# Altium PCB K210_GSM.PcbDoc (part 2 of 2)
Units mil, origin at the board's own origin, x right, y up, seen from the top; angles counter-clockwise.
Board outline 1181.1 x 2884.84 mil, 2 copper layers (Top Layer, Bottom Layer); 74 components, 109 nets, 355 pads, 138 vias.
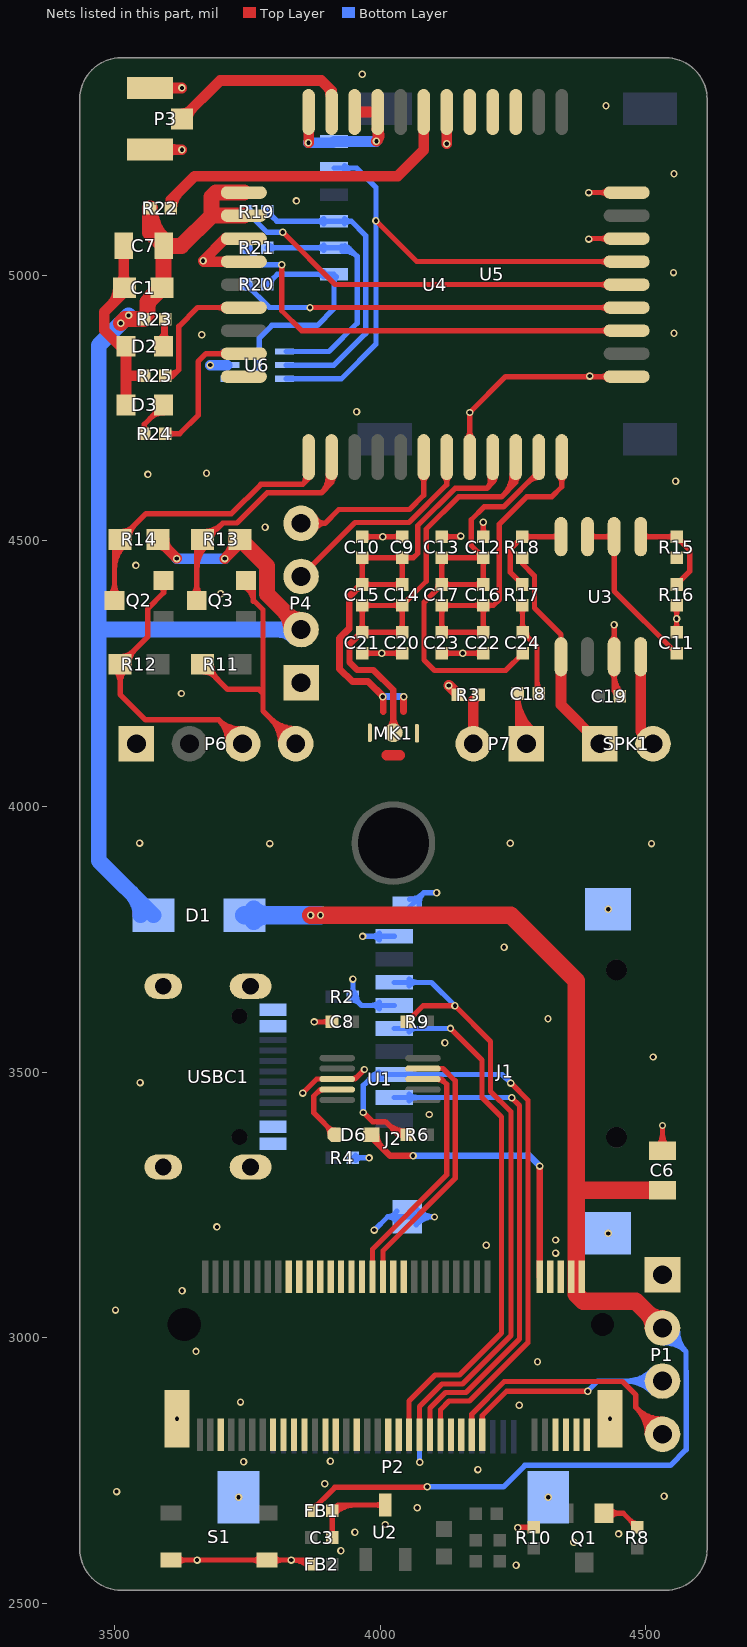
[diagram p2: the nets of this part, all layers, seen from the top]

## Via types
v1: diameter 14, hole 8, Top Layer to Bottom Layer, 138 vias

## Nets (pads, with @x,y where several pads share a name; then routed paths per layer and width w, separated by ;. In a path a pad name is that pad's centre, name@x,y a point inside that pad or via, vN(x,y) a via of type N, cw(c..) or ccw(c..) an arc to the next point about the centre after c; other vN are vias at no path point) (continued)
GND: C1.1 C6.1 C7.1 C8.2 D2.2 D3.2 FB2.1 J1.6 J1.9 J1.10 J2.6 J2.8 J2.SH1 J2.SH2 P1.1 P2.10 P2.A P2.B P3.1 P3.3 P4.1 P6.1 P7.2 R2.1 R3.1 R4.1 R10.2 R25.2 S1.2 U1.3 U4.8 U4.13 U4.19 U4.21 U4.27 U4.30 U4.31 U4.33 U4.36 U4.37 U5.3 U6.2 USBC1.0 USBC1.A1 USBC1.A12 USBC1.B1 USBC1.B12 | length 3646.9
  Top Layer w10: S1.2@3606.3,2581.69 S1.2@3787.4,2581.69 FB2.1@3862.83,2581.69 ; S1.2@3618.41,2575.48 cw(c3633.4,2560.5) 3633.4,2581.69 cw(c3633.4,2602.89) S1.2@3618.41,2587.9 ; S1.2@3775.29,2575.48 ccw(c3760.3,2560.5) 3760.3,2581.69 ccw(c3760.3,2602.89) S1.2@3775.29,2587.9 ; S1.2@3799.52,2575.48 cw(c3814.5,2560.5) 3814.5,2581.69 cw(c3814.5,2602.89) S1.2@3799.52,2587.9 ; v1@3835.7,2581.69 cw(c3835.7,2539.44) FB2.1@3865.58,2569.32 ; v1(3854.33,3460.63) 3880.71,3487.01 U1.3@3919.29,3487.01 3952.56,3487.01 v1(3970.47,3504.92) ; FB2.1@3859.84,2581.69 cw(c3859.84,2563.58) FB2.1@3872.65,2576.39 ; v1(3875.99,3594.49) C8.2@3909.45,3594.49 ; C8.2@3904.63,3589.67 ccw(c3893.01,3578.04) 3893.01,3594.49 ccw(c3893.01,3610.93) C8.2@3904.63,3599.3 ; U1.3@3946.85,3487.91 ccw(c3946.85,3503.88) 3958.14,3492.59 ; U4.8@4163.89,4693.79 ccw(c4152.26,4705.42) 4168.7,4705.42 ccw(c4185.14,4705.42) U4.8@4173.52,4693.79 ; U4.8@4168.7,4657.48 v1(4168.7,4741.54) 4236.22,4809.06 U4.13@4463.98,4809.06 ; v1(4258.86,2642.72) 4259.37,2643.23 R10.2@4289.13,2643.23 ; R10.2@4284.32,2638.41 ccw(c4272.69,2626.79) 4272.69,2643.23 ccw(c4272.69,2659.67) R10.2@4284.32,2648.05 ; 4387.48,4809.06 ccw(c4387.48,4817.24) v1@4393.27,4811.45 ; v1(4392.72,5067.91) 4393.7,5068.9 U4.19@4463.98,5068.9 ; v1(4392.72,5155.51) U4.21@4463.98,5155.51 ; v1@4394.13,5066.5 cw(c4399.92,5060.71) 4399.92,5068.9 ; v1@4396.1,4811.45 ccw(c4401.89,4817.24) 4401.89,4809.06 ; U4.13@4427.66,4804.24 ccw(c4416.04,4792.61) 4416.04,4809.06 ccw(c4416.04,4825.5) U4.13@4427.66,4813.87 ; U4.19@4427.66,5064.08 ccw(c4416.04,5052.45) 4416.04,5068.9 ccw(c4416.04,5085.34) U4.19@4427.66,5073.71 ; U4.21@4427.66,5150.7 ccw(c4416.04,5139.07) 4416.04,5155.51 ccw(c4416.04,5171.95) U4.21@4427.66,5160.33 ; C6.1@4522.66,3361.2 ccw(c4501.32,3382.54) 4531.5,3382.54 ccw(c4561.67,3382.54) C6.1@4540.33,3361.2 ; C6.1@4531.5,3352.37 v1(4531.5,3399.61)
  Top Layer w20: 3493.35,4943.15 ccw(c3460.12,4976.38) C1.1@3507.11,4976.38 ; C1.1@3509.95,4983.22 ccw(c3491.2,5001.97) 3517.71,5001.97 ; C7.1@3512.41,5042.31 cw(c3499.61,5029.51) 3517.71,5029.51 cw(c3535.82,5029.51) C7.1@3523.02,5042.31 ; D3.2@3516.2,4763.08 ccw(c3503.02,4776.25) 3521.65,4776.25 ccw(c3540.28,4776.25) D3.2@3527.11,4763.08 ; D2.2@3516.2,4858.72 cw(c3503.02,4845.54) 3521.65,4845.54 cw(c3540.28,4845.54) D2.2@3527.11,4858.72 ; 3517.71,4997.54 ccw(c3537.96,4997.54) C1.1@3523.64,4983.22 ; C7.1@3517.71,5055.11 3517.71,4967.52 3480.81,4930.61 3480.81,4896.16 3510.83,4866.14 D2.2@3521.65,4866.14 D3.2@3521.65,4755.65 ; 3522.64,4811.02 R25.2@3556.05,4811.02 ; P3.1@3566.93,5236.22 v1(3627,5236.22) ; P3.3@3566.93,5352.36 v1(3627,5352.36) ; P3.1@3597.11,5228.68 cw(c3615.32,5210.46) 3615.32,5236.22 cw(c3615.32,5261.98) P3.1@3597.11,5243.76 ; P3.3@3597.11,5344.82 cw(c3615.32,5326.6) 3615.32,5352.36 cw(c3615.32,5378.12) P3.3@3597.11,5359.91 ; v1(3666.83,5027.07) 3708.66,5068.9 U4.36@3743.5,5068.9 ; v1@3668.31,5025.59 U4.37@3743.5,5025.59 ; v1@3865.55,5249.02 U4.33@3865.55,5307.09 ; U4.31@3952.17,5307.09 U4.30@3995.47,5307.09 3995.47,5254.33 v1(3993.11,5251.97) ccw(c3981.35,5263.73) U4.30@3994.09,5274.43 ; v1(4125.39,5247.44) U4.27@4125.39,5307.09 ; P7.2@4175.39,4118.07 4175.39,4200 R3.1@4186.02,4210.63
  Bottom Layer w10: R2.1@3944,3646.55 ccw(c3932.38,3658.18) 3948.82,3658.18 ccw(c3965.26,3658.18) R2.1@3953.63,3646.55 ; R4.1@3948.82,3338.58 v1(3979.33,3338.58) ; R2.1@3948.82,3634.92 cw(c3948.82,3618.48) 3960.45,3630.11 cw(c3972.07,3641.73) R2.1@3955.63,3641.73 ; v1(3948.82,3675.2) R2.1@3948.82,3641.73 3965,3625.55 J1.6@4026.61,3625.55 ; R4.1@3953.63,3333.77 cw(c3965.26,3322.14) 3965.26,3338.58 cw(c3965.26,3355.03) R4.1@3953.63,3343.4 ; v1(3967.09,3755.47) J1.9@4026.61,3755.47 ; v1(3989.17,3202.76) 4014.33,3227.91 ; J1.6@3998.75,3619.34 ccw(c3983.77,3604.36) 3983.77,3625.55 ccw(c3983.77,3646.75) J1.6@3998.75,3631.76 ; J1.9@3998.75,3749.26 ccw(c3983.77,3734.28) 3983.77,3755.47 ccw(c3983.77,3776.67) J1.9@3998.75,3761.68 ; J1.10@4031.24,3217.6 ccw(c4014.33,3208.9) 4014.33,3227.91 ; J1.10@4031.24,3238.23 cw(c4014.33,3246.92) 4014.33,3227.91 ; J1.10@4051.3,3806.65 4082.24,3837.6 ; J1.10@4055.24,3825.28 ccw(c4055.24,3860.73) 4080.31,3835.66 ; J1.10@4060.65,3219.53 cw(c4079.42,3202.71) 4079.42,3227.91 cw(c4079.42,3253.11) J1.10@4060.65,3236.3 ; J1.10@4068.1,3212.86 cw(c4101.81,3182.65) v1@4101.81,3227.91 ; J1.10@4068.1,3242.97 ccw(c4101.81,3273.18) v1@4101.81,3227.91 ; J1.10@4073.57,3809.94 cw(c4104.38,3815.46) 4082.24,3837.6 ; P2.10@4074.21,2813.98 4074.21,2766.34 v1(4074.8,2765.75) ; v1(4102.36,3227.36) v1@4101.81,3227.91 ; v1(4106.3,3837.6) 4082.24,3837.6 ; 4014.33,3227.91 J1.10@4051.3,3227.91 v1@4101.81,3227.91
  Bottom Layer w20: v1(3680.12,4830.71) U6.2@3712.6,4830.71 ; v1(3865.16,5249.02) 3910.73,5249.02 U5.3@3913.29,5251.58 3992.72,5251.58 v1(3993.11,5251.97)
  other v1: 4255.91,2571.85 3655.51,2581.69 3832.68,2581.69 3926.18,2599.41 4364.17,2615.16 4448.82,2630.91 3952.6,2634.13 4009.84,2648.62 4069.88,2680.12 3733.66,2699.8 4316.34,2699.8 4534.45,2701.77 3503.94,2710.63 3895.67,2725.39 4184.06,2751.97 3743.11,2766.73 3906.5,2767.72 3617.52,2847.84 4432.48,2847.84 4261.81,2873.03 3737.2,2878.94 4296.26,2954.72 3653.54,2974.41 3501.97,3052.17 3627.35,3088.48 4330.22,3159.45 4199.8,3174.21 4330.22,3184.06 4429.25,3196.42 3692.91,3208.66 4092.52,3420.28 3548.23,3480.32 4513.78,3528.54 4122.05,3555.12 4315.94,3600.39 4233.27,3735.24 4429.25,3806.65 3792.32,3930.12 4510.83,3930.12 3547.24,3931.1 4245.08,3931 3625.98,4212.6 3699.8,4400.59 3540.35,4453.74 3783.46,4525.59 4556.1,4612.2 3562.99,4625 3673.23,4626.97 3955.71,4743.11 4394.69,4810.04 3664.37,4887.8 4553.15,4890.75 4552.17,5004.92 3842.52,5139.76 4553.15,5190.94 4425.2,5318.9 3966.54,5377.95
IO24: J2.37
IO25: J2.39
IO26/P8: C18.2 P7.1 | length 360.5
  Top Layer w10: C18.2@4254.04,4207.78 cw(c4242.41,4196.15) 4258.86,4196.15 cw(c4275.3,4196.15) C18.2@4263.67,4207.78 ; P7.1@4258.86,4148.92 ccw(c4299.62,4148.92) P7.1@4274.45,4116.86 ; 4258.86,4169.49 ccw(c4315.77,4169.49) P7.1@4280.62,4124.73 ; 4258.86,4190.06 ccw(c4331.92,4190.06) P7.1@4286.8,4132.59 ; P7.1@4275.39,4118.07 4258.86,4134.61 4258.86,4210.63 ccw(c4348.07,4210.63) P7.1@4292.97,4140.46
IO30: J2.25
IO31: J2.27
IO32: J2.21 P1.3 | length 580.3
  Top Layer w10: J2.21@4192.32,2817.32 4192.32,2853.61 4238.32,2899.61 v1(4390.75,2899.61)
  Bottom Layer w10: v1(4390.75,2899.61) 4409.65,2918.5 P1.3@4531.5,2918.5 ; P1.3@4511.37,2898.38 ccw(c4462.78,2849.78) 4462.78,2918.5 ccw(c4462.78,2987.22) P1.3@4511.37,2938.63 ; P1.3@4518.44,2905.45 ccw(c4486.92,2873.93) 4486.92,2918.5 ccw(c4486.92,2963.08) P1.3@4518.44,2931.56
IO32/P1: J2.23 P1.4 | length 656.2
  Top Layer w10: J2.23@4172.64,2817.32 4172.64,2856.55 4233.7,2917.61 4456.02,2917.61 4481.3,2892.33 4481.3,2868.7 P1.4@4531.5,2818.5 ; P1.4@4503.03,2818.5 ccw(c4434.31,2818.5) 4482.9,2867.1 ccw(c4531.5,2915.69) P1.4@4531.5,2846.97 ; P1.4@4513.03,2818.5 ccw(c4468.45,2818.5) 4499.98,2850.02 ccw(c4531.5,2881.55) P1.4@4531.5,2836.97
IR_OUT1: J2.61
IR_OUT2: J2.59
IR_OUT3: J2.57
IR_OUT4: J2.55
ISP_RX: J2.42 U1.8 | length 484.1
  Top Layer w10: J2.42@3985.63,3114.57 3985.63,3166.73 4125.17,3306.28 4125.17,3477.19 4115.35,3487.01 U1.8@4080.71,3487.01 ; U1.8@4108.27,3486.1 cw(c4108.27,3466.81) 4121.91,3480.45
ISP_TX: J2.40 U1.9 | length 495.5
  Top Layer w10: J2.40@4005.32,3114.57 4005.32,3163.79 4141.17,3299.65 4141.17,3483.82 4118.3,3506.69 U1.9@4080.71,3506.69
LCD_CS: J2.7
LCD_DC: J2.5
LCD_RST: J2.3
LCD_WR: J2.1
MIC_BCK: J2.49
MIC_DAT3: J2.45
MIC_WS: J2.51
MICN: C14.1 C15.1 C20.2 C21.2 MK1.2 U4.10 | length 1263.4
  Top Layer w10: C21.2@3961.44,4332.57 ccw(c3949.82,4344.2) 3966.26,4344.2 ccw(c3982.7,4344.2) 3971.08,4332.57 ccw(c3982.7,4344.2) 3982.7,4327.76 ccw(c3982.7,4311.31) C21.2@3971.08,4322.94 ; C15.1@3961.44,4373.57 cw(c3949.82,4361.94) 3966.26,4361.94 cw(c3982.7,4361.94) 3971.08,4373.57 cw(c3982.7,4361.94) 3982.7,4378.39 cw(c3982.7,4394.83) C15.1@3971.08,4383.2 ; C20.2@4036.6,4322.94 ccw(c4024.97,4311.31) 4024.97,4327.76 ccw(c4024.97,4344.2) 4036.6,4332.57 ccw(c4024.97,4344.2) 4041.42,4344.2 ccw(c4057.86,4344.2) C20.2@4046.23,4332.57 ; C14.1@4036.6,4383.2 cw(c4024.97,4394.83) 4024.97,4378.39 cw(c4024.97,4361.94) 4036.6,4373.57 cw(c4024.97,4361.94) 4041.42,4361.94 cw(c4057.86,4361.94) C14.1@4046.23,4373.57 ; 4232.14,4586.47 ccw(c4192.62,4625.98) U4.10@4248.5,4625.98 ; 4249.21,4603.54 ccw(c4226.76,4625.98) U4.10@4258.5,4625.98 ; U4.10@4250.52,4621.15 cw(c4239.13,4609.65) 4255.32,4609.65 ; U4.10@4255.32,4657.48 4255.32,4609.65 ; U4.10@4260.11,4621.15 ccw(c4271.5,4609.65) 4255.32,4609.65 ; C14.1@4041.42,4378.39 4086.87,4423.84 4086.87,4521.93 4147.62,4582.68 4228.35,4582.68 4255.32,4609.65 ; C14.1@4041.42,4378.39 C20.2@4041.42,4327.76 C21.2@3966.26,4327.76 C15.1@3966.26,4378.39 C14.1@4041.42,4378.39
  Top Layer w12: C21.2@3966.26,4327.76 3965.04,4327.76 3942.45,4305.17 3942.45,4271.6 3957.16,4256.89 3987.2,4256.89 4024.61,4219.49 4024.61,4139.17 MK1.2@4025,4138.78 ; MK1.2@4016.72,4147.06 ccw(c3997.66,4166.12) 4024.61,4166.12 ; 4024.61,4168.02 ccw(c4054.24,4168.02) MK1.2@4033.28,4147.06
MICP: C9.1 C10.1 C14.2 C15.2 MK1.1 U4.9 | length 1276.7
  Top Layer w10: C15.2@3961.44,4422.57 ccw(c3949.82,4434.2) 3966.26,4434.2 ccw(c3982.7,4434.2) 3971.08,4422.57 ccw(c3982.7,4434.2) 3982.7,4417.76 ccw(c3982.7,4401.31) C15.2@3971.08,4412.94 ; C10.1@3961.44,4463.57 cw(c3949.82,4451.94) 3966.26,4451.94 cw(c3982.7,4451.94) 3971.08,4463.57 cw(c3982.7,4451.94) 3982.7,4468.39 cw(c3982.7,4484.83) C10.1@3971.08,4473.2 ; C14.2@4036.6,4412.94 ccw(c4024.97,4401.31) 4024.97,4417.76 ccw(c4024.97,4434.2) 4036.6,4422.57 ccw(c4024.97,4434.2) 4041.42,4434.2 ccw(c4057.86,4434.2) C14.2@4046.23,4422.57 ; C9.1@4036.6,4473.2 cw(c4024.97,4484.83) 4024.97,4468.39 cw(c4024.97,4451.94) 4036.6,4463.57 cw(c4024.97,4451.94) 4041.42,4451.94 cw(c4057.86,4451.94) 4046.23,4463.57 cw(c4057.86,4451.94) 4057.86,4468.39 cw(c4057.86,4484.83) C9.1@4046.23,4473.2 ; U4.9@4205.75,4623.29 cw(c4185.26,4614.45) 4201.04,4598.68 ; U4.9@4207.21,4621.15 cw(c4195.82,4609.65) 4212.01,4609.65 ; 4211.46,4609.1 ccw(c4199.83,4620.73) U4.9@4214.94,4627.25 ; U4.9@4212.01,4657.48 4212.01,4609.65 ; U4.9@4216.8,4621.15 ccw(c4228.2,4609.65) 4212.01,4609.65 ; C9.1@4041.42,4468.39 4062.87,4468.39 4070.87,4476.38 4070.87,4528.55 4140.99,4598.68 4201.04,4598.68 ; C9.1@4041.42,4468.39 C14.2@4041.42,4417.76 C15.2@3966.26,4417.76 C10.1@3966.26,4468.39 C9.1@4041.42,4468.39 ; 4201.04,4598.68 4212.01,4609.65
  Top Layer w13: 3953.9,4407.33 cw(c3966.26,4394.96) C15.2@3966.26,4412.45 ; C15.2@3966.26,4417.76 3964.33,4417.76 3941.95,4395.37 3941.95,4334.66 3923.95,4316.66 3923.95,4259.12 3947.83,4235.24 3977.36,4235.24 4005.91,4206.69 4005.91,4179.13 ; 4044.29,4179.13 v1(4044.29,4206.69)
  Top Layer w19: 4012.34,4096.42 4037.55,4096.42
  Bottom Layer w13: v1@4005.91,4206.69 v1(4044.29,4206.69)
  other v1: 4004.92,4206.69
NetC3_1: C3.1 FB1.2 U2.3 | length 299.3
  Top Layer w10: C3.1@3904.94,2628.95 ccw(c3893.32,2640.58) 3909.76,2640.58 ccw(c3926.2,2640.58) C3.1@3914.58,2628.95 ; FB1.2@3904.95,2669.32 cw(c3893.32,2657.69) 3909.76,2657.69 cw(c3926.21,2657.69) 3914.58,2669.32 cw(c3953.2,2630.7) 3953.2,2685.31 ; FB1.2@3907.51,2676.39 cw(c3929.05,2654.84) 3929.05,2685.31 ; C3.1@3909.76,2624.13 FB1.2@3909.76,2674.13 3920.94,2685.31 U2.3@4010.08,2685.31 ; U2.3@4005.26,2680.5 ccw(c3993.63,2668.87) 3993.63,2685.31 ccw(c3993.63,2701.76) U2.3@4005.26,2690.13
NetC11_2: C11.2 U3.2 U3.3 | length 371.3
  Top Layer w10: U3.3@4390.41,4507.9 U3.2@4440.41,4507.9 4440.41,4405.89 C11.2@4557.91,4288.38 ; U3.3@4395.36,4502.95 cw(c4407.31,4491) 4407.31,4507.9 cw(c4407.31,4524.8) U3.3@4395.36,4512.85 ; U3.2@4435.46,4502.95 ccw(c4423.51,4491) 4423.51,4507.9 ccw(c4423.51,4524.8) U3.2@4435.46,4512.85
NetC18_1: C18.1 C24.1 R17.2 | length 275.4
  Top Layer w10: R17.2@4263.1,4373.57 cw(c4251.47,4361.94) 4267.91,4361.94 cw(c4284.36,4361.94) R17.2@4272.73,4373.57 ; C24.1@4263.89,4332.57 ccw(c4254.16,4342.29) 4267.91,4342.29 ; 4267.91,4346.1 ccw(c4287.05,4346.1) C24.1@4273.52,4332.57 ; R17.2@4267.91,4378.38 4267.91,4328.54 C24.1@4268.7,4327.75 4295.28,4301.18 C18.1@4295.28,4212.6 ; C24.1@4268.7,4320.94 cw(c4268.7,4304.5) 4280.33,4316.13 cw(c4291.96,4327.75) C24.1@4275.51,4327.75 ; 4295.28,4236.17 ccw(c4321.8,4236.17) C18.1@4303.04,4217.41
NetD2_1: D2.1 R23.2 | length 143.2
  Top Layer w10: D2.1@3583.53,4877.1 ccw(c3554.81,4905.82) R23.2@3595.42,4905.82 ; R23.2@3589.52,4913.92 cw(c3566.48,4900.61) 3592.18,4893.73 ; R23.2@3590.61,4912.51 cw(c3578.98,4900.88) 3595.42,4900.88 cw(c3611.87,4900.88) R23.2@3600.24,4912.51 ; D2.1@3595.42,4869.04 R23.2@3595.42,4917.32 ; 3595.42,4891.8 ccw(c3616.21,4891.8) D2.1@3601.51,4877.1
NetD3_1: D3.1 R24.2 | length 143.3
  Top Layer w10: R24.2@3551.23,4706.35 ccw(c3539.61,4717.98) 3556.05,4717.98 ccw(c3572.49,4717.98) R24.2@3560.87,4706.35 ; R24.2@3556.05,4701.54 3556.05,4719.18 D3.1@3592.52,4755.65 ; 3567.45,4730.58 cw(c3592.52,4705.52) D3.1@3592.52,4740.97 ; 3572.2,4735.34 ccw(c3553.86,4753.69) D3.1@3579.8,4753.69
NetD6_2: D6.2 U1.4 | length 182.6
  Top Layer w10: 3882.98,3462.79 cw(c3891.73,3454.04) U1.4@3891.73,3466.42 ; 3898.19,3400.36 cw(c3879.84,3382.01) D6.2@3905.79,3382.01 ; 3902.94,3395.6 ccw(c3914.57,3407.23) D6.2@3914.57,3390.79 ; D6.2@3916.54,3382.01 3874.83,3423.72 3874.83,3454.64 3887.51,3467.32 U1.4@3919.29,3467.32
NetP3_2: P3.2 U4.32 | length 415.9
  Top Layer w20: P3.2@3626.97,5294.29 3699.07,5366.39 3889.51,5366.39 3908.86,5347.05 U4.32@3908.86,5307.09 ; P3.2@3627.95,5303.98 ccw(c3627.95,5324.98) P3.2@3642.81,5310.13 ; P3.2@3637.64,5294.29 cw(c3663.4,5294.29) P3.2@3645.18,5312.51 ; 3899.78,5356.12 cw(c3882.25,5338.58) U4.32@3907.05,5338.58
NetP5_1: U4.24
NetP5_2: U4.25
NetP5_3: U4.26
NetQ1_G: Q1.G R8.1 | length 147.7
  Top Layer w10: Q1.G@4421.54,2669.8 4457.56,2669.8 R8.1@4484.13,2643.23 ; Q1.G@4430.53,2660.81 cw(c4452.24,2639.1) 4452.24,2669.8 cw(c4452.24,2700.5) Q1.G@4430.53,2678.8 ; R8.1@4477.32,2643.23 ccw(c4460.88,2643.23) 4472.51,2654.85 ccw(c4484.13,2666.48) R8.1@4484.13,2650.04
NetR15_1: R15.1 R16.2 U3.1 | length 256.1
  Top Layer w10: U3.1@4490.41,4507.9 R15.1@4557.77,4507.9 ; U3.1@4495.36,4502.95 cw(c4507.31,4491) 4507.31,4507.9 cw(c4507.31,4524.8) U3.1@4495.36,4512.85 ; 4541.11,4507.9 cw(c4541.11,4490.96) R15.1@4553.1,4502.94 ; 4541.83,4507.9 ccw(c4541.83,4523.84) R15.1@4553.1,4512.57 ; R16.2@4557.91,4417.76 4582.68,4442.52 4582.68,4482.99 R15.1@4557.91,4507.75 ; R15.1@4557.91,4500.94 cw(c4557.91,4484.5) 4569.54,4496.13 cw(c4581.17,4507.75) R15.1@4564.72,4507.75
NetR17_1: R17.1 R18.1 U3.4 | length 233.6
  Top Layer w10: R17.1@4267.91,4417.75 4245.1,4440.57 4245.1,4484.94 R18.1@4267.91,4507.75 ; R18.1@4268.06,4507.9 U3.4@4340.41,4507.9 ; R18.1@4272.73,4502.94 cw(c4284.71,4490.96) 4284.71,4507.9 ; R18.1@4272.73,4512.57 ccw(c4284,4523.84) 4284,4507.9 ; U3.4@4335.46,4502.95 ccw(c4323.51,4491) 4323.51,4507.9 ccw(c4323.51,4524.8) U3.4@4335.46,4512.85
NetR18_2: R18.2 SPK1.1 U3.5 | length 410.7
  Top Layer w10: R18.2@4267.91,4468.38 4267.91,4456.93 4290.72,4434.12 4290.72,4373.51 4340.41,4323.82 U3.5@4340.41,4281.9
  Top Layer w20: U3.5@4340.41,4281.9 4340.41,4191.24 SPK1.1@4413.58,4118.07
NetR22_1: R22.1 U4.28 | length 635.2
  Top Layer w20: R22.1@3606.3,5125.98 3606.3,5141.73 3651.08,5186.51 4032.97,5186.51 4082.09,5235.63 U4.28@4082.09,5307.09 ; R22.1@3608.11,5125.98 cw(c3650.5,5125.98) 3620.53,5155.96
NetSPK1_2: SPK1.2 U3.8 | length 140.7
  Top Layer w20: SPK1.2@4490.41,4141.24 U3.8@4490.41,4281.9
PWR: C1.2 C7.2 D1.1 P4.2 R13.2 R14.2 R22.2 R23.1 U4.34 U4.35 | length 2930
  Top Layer w10: v1(3617.13,4466.54) v1@3617.13,4467.32
  Top Layer w20: R14.2@3581.69,4502.76 v1@3617.13,4467.32 ; R14.2@3583.66,4493.07 cw(c3583.66,4474.44) R14.2@3596.83,4487.62 ; R14.2@3593.35,4502.76 ccw(c3621.48,4502.76) 3601.59,4482.86 ; v1(3707.68,4466.54) 3736.69,4495.55 R13.2@3736.69,4502.76 ; v1@3711.7,4470.56 ccw(c3679.51,4502.76) R13.2@3725.04,4502.76
  Top Layer w30: v1(3511.81,4909.45) 3519.69,4917.32 R23.1@3556.05,4917.32 3562.61,4923.88 3562.61,4949.36 C1.2@3589.63,4976.38 3592.52,4979.26 C7.2@3592.52,5055.11 ; 3562.61,4939.53 cw(c3595.62,4939.53) C1.2@3588.65,4971.8 ; C7.2@3575.45,5072.19 ccw(c3592.52,5089.26) C7.2@3592.52,5065.11 ; C7.2@3594.2,5064.47 cw(c3649.95,5125.98) R22.2@3566.93,5125.98 3566.93,5080.7 C7.2@3592.52,5055.11 ; R13.2@3736.69,4502.76 3787.22,4452.23 3787.22,4399.4 3851.26,4335.36 P4.2@3851.26,4332.91 ; U4.35@3743.5,5112.21 3683.07,5112.21 ; U4.34@3743.5,5155.51 3690.94,5155.51 3683.07,5147.64 3683.07,5112.21 ; 3818.01,4368.61 cw(c3782.32,4332.91) P4.2@3832.8,4332.91 ; 3823.91,4362.71 ccw(c3851.26,4390.06) P4.2@3851.26,4351.38 ; C7.2@3592.52,5055.11 3625.98,5055.11 3683.07,5112.21
  Bottom Layer w20: v1(3617.13,4466.54) v1(3707.68,4466.54)
  Bottom Layer w30: v1(3526.57,4924.21) 3470.47,4868.11 3470.47,4332.91 ; 3531.83,3836.88 cw(c3490.22,3795.28) D1.1@3549.06,3795.28 ; D1.1@3573.43,3795.28 3470.47,3898.23 3470.47,4332.91 ; P4.2@3838.2,4319.86 ccw(c3806.68,4288.34) 3806.68,4332.91 ccw(c3806.68,4377.49) P4.2@3838.2,4345.97 ; P4.2@3851.26,4332.91 3470.47,4332.91
RST: D6.1 J2.10 | length 579.2
  Top Layer w12: D6.1@3983.46,3382.01 3983.46,3377.76 4018.7,3342.52 v1(4062.01,3342.52) ; D6.1@3993.21,3382.01 ccw(c4027.01,3382.01) 4003.11,3358.11 ; J2.10@4300.59,3114.57 v1(4300.59,3323.23)
  Bottom Layer w12: v1(4062.01,3342.52) 4281.3,3342.52 v1(4300.59,3323.23)
RXD: P6.3 Q2.S R12.1 | length 815.3
  Top Layer w10: R12.1@3500.44,4257.37 cw(c3475.37,4232.3) 3510.83,4232.3 cw(c3546.28,4232.3) R12.1@3521.21,4257.37 ; R12.1@3512.79,4282.44 ccw(c3512.79,4313.14) 3534.5,4291.43 ; R12.1@3527.48,4267.76 cw(c3567.68,4267.76) 3539.26,4296.19 ; Q2.S@3585.83,4414.35 cw(c3578.39,4402.33) 3592.52,4402.33 ; Q2.S@3592.52,4425.16 3592.52,4402.33 ; Q2.S@3599.21,4414.35 ccw(c3606.65,4402.33) 3592.52,4402.33 ; P6.3@3712.84,4119.64 ccw(c3655.92,4122.79) 3696.23,4163.1 ; P6.3@3722.82,4119.09 ccw(c3685.9,4121.13) 3712.05,4147.28 ccw(c3738.2,4173.43) P6.3@3740.24,4136.51 ; P6.3@3739.69,4146.49 cw(c3736.54,4203.41) 3696.23,4163.1 ; P6.3@3741.26,4118.07 3696.23,4163.1 ; 3592.52,4402.33 3562.82,4372.63 3562.82,4319.75 R12.1@3510.83,4267.76 3510.83,4210.63 3558.35,4163.1 3696.23,4163.1
SIM_C: R20.1 U5.4 U6.1 | length 565.2
  Bottom Layer w10: U6.1@3712.6,4805.12 3753.94,4805.12 3772.64,4823.82 3772.64,4881.89 3796.26,4905.51 3881.89,4905.51 3913.29,4936.91 U5.4@3913.29,5001.58 3806.44,5001.58 R20.1@3787.4,4982.54 ; R20.1@3787.4,4989.35 ccw(c3787.4,5005.79) 3799.03,4994.17 ccw(c3810.66,4982.54) R20.1@3794.21,4982.54 ; U5.4@3893.71,4996.76 ccw(c3882.08,4985.13) 3882.08,5001.58 ccw(c3882.08,5018.02) U5.4@3893.71,5006.39 ; U5.4@3908.47,4996.76 cw(c3896.84,4985.13) 3913.29,4985.13 cw(c3929.73,4985.13) U5.4@3918.1,4996.76
SIM_CLK: R20.2 U4.16 | length 785.6
  Top Layer w10: v1(3868.11,4938.98) U4.16@4463.98,4938.98 ; U4.16@4427.66,4934.16 ccw(c4416.04,4922.53) 4416.04,4938.98 ccw(c4416.04,4955.42) U4.16@4427.66,4943.79
  Bottom Layer w10: R20.2@3748.03,4975.73 cw(c3748.03,4959.29) 3759.66,4970.91 cw(c3771.29,4982.54) R20.2@3754.84,4982.54 ; R20.2@3748.03,4982.54 3791.6,4938.98 v1(3868.11,4938.98)
SIM_D: R21.1 U5.1 U6.4 | length 571.7
  Bottom Layer w10: R21.1@3787.8,5051.58 U5.1@3913.29,5051.58 3940.55,5051.58 ; R21.1@3792.22,5046.37 cw(c3804.8,5033.79) 3804.8,5051.58 ; R21.1@3792.22,5056 ccw(c3802.89,5066.67) 3802.89,5051.58 ; U6.4@3822.83,4856.3 3903.54,4856.3 3956.69,4909.45 3956.69,5035.43 ; U5.1@3893.71,5046.76 ccw(c3882.08,5035.13) 3882.08,5051.58 ccw(c3882.08,5068.02) U5.1@3893.71,5056.39 ; U5.1@3927.63,5054.74 cw(c3929.95,5037.31) 3942.38,5049.74 ; U5.1@3928.95,5044.82 cw(c3933.32,5012.06) 3956.69,5035.43 ; U5.1@3933.77,5047.88 cw(c3940.55,5043.51) 3940.55,5051.58 ; U5.1@3933.77,5055.27 ccw(c3940.55,5059.64) 3940.55,5051.58 ; 3940.55,5051.58 3956.69,5035.43
SIM_DATA: R21.2 U4.15 | length 882.8
  Top Layer w10: v1(3814.96,5019.69) 3814.96,4933.07 3852.36,4895.67 U4.15@4463.98,4895.67 ; U4.15@4427.66,4890.85 ccw(c4416.04,4879.23) 4416.04,4895.67 ccw(c4416.04,4912.11) U4.15@4427.66,4900.49
  Bottom Layer w10: R21.2@3748.03,5044.37 cw(c3748.03,5027.93) 3759.66,5039.55 cw(c3771.29,5051.18) R21.2@3754.84,5051.18 ; R21.2@3748.03,5051.18 3779.53,5019.69 v1(3814.96,5019.69)
SIM_DTR: P4.4 U4.6 | length 397.8
  Top Layer w10: P4.4@3851.26,4532.91 3896.11,4532.91 ; P4.4@3877.02,4520.79 cw(c3896.11,4511.81) 3896.11,4532.91 ; P4.4@3877.02,4545.03 ccw(c3896.11,4554.02) 3896.11,4532.91 ; U4.6@4077.27,4621.17 cw(c4065.64,4609.54) 4082.09,4609.54 cw(c4098.53,4609.54) U4.6@4086.9,4621.17 ; U4.6@4082.09,4657.48 4082.09,4586.02 4055.12,4559.06 3922.25,4559.06 3896.11,4532.91
SIM_LED: R24.1 U4.41 | length 321.6
  Top Layer w10: R24.1@3595.42,4701.54 3622.8,4701.54 3657.48,4736.22 3657.48,4837.6 3672.24,4852.36 U4.41@3743.5,4852.36 ; R24.1@3600.24,4696.72 cw(c3611.86,4685.09) 3611.86,4701.54 cw(c3611.86,4717.98) R24.1@3600.24,4706.35 ; U4.41@3707.19,4847.55 ccw(c3695.56,4835.92) 3695.56,4852.36 ccw(c3695.56,4868.8) U4.41@3707.19,4857.18
SIM_PWR: R25.1 U4.39 | length 339.5
  Top Layer w10: R25.1@3594.22,4808.07 ccw(c3599.91,4822.05) 3610.59,4811.38 ; R25.1@3595.42,4811.02 3610.24,4811.02 ; R25.1@3597.99,4817.33 ccw(c3606.08,4837.18) 3621.24,4822.02 ; R25.1@3600.59,4806.59 cw(c3610.24,4798.32) 3610.24,4811.02 ; R25.1@3600.59,4815.46 ccw(c3610.24,4823.73) 3610.24,4811.02 ; U4.39@3707.19,4934.16 ccw(c3695.56,4922.53) 3695.56,4938.98 ccw(c3695.56,4955.42) U4.39@3707.19,4943.79 ; U4.39@3743.5,4938.98 3656.49,4938.98 3621.24,4903.72 3621.24,4822.02 ; 3610.24,4811.02 3621.24,4822.02
SIM_R: R19.1 U5.5 U6.5 | length 640.5
  Bottom Layer w10: R19.1@3787.4,5113.01 cw(c3787.4,5096.57) 3799.03,5108.2 cw(c3810.66,5119.82) R19.1@3794.21,5119.82 ; R19.1@3787.4,5119.82 3805.65,5101.58 U5.5@3913.29,5101.58 3945.67,5101.58 3972.69,5074.55 3972.69,4890.02 3913.39,4830.71 U6.5@3822.83,4830.71 ; U5.5@3893.71,5096.76 ccw(c3882.08,5085.13) 3882.08,5101.58 ccw(c3882.08,5118.02) U5.5@3893.71,5106.39 ; U5.5@3932.87,5096.76 cw(c3944.49,5085.13) 3944.49,5101.58 cw(c3944.49,5118.02) U5.5@3932.87,5106.39
SIM_RI: P4.3 U4.7 | length 423.3
  Top Layer w10: P4.3@3851.26,4432.91 3952.76,4534.41 4054.09,4534.41 4125.39,4605.71 U4.7@4125.39,4657.48 ; U4.7@4120.58,4621.17 cw(c4108.95,4609.54) 4125.39,4609.54 cw(c4141.84,4609.54) U4.7@4130.21,4621.17
SIM_RST: R19.2 U4.17 | length 824.6
  Top Layer w10: v1(3816.93,5080.71) 3915.35,4982.28 U4.17@4463.98,4982.28 ; U4.17@4427.66,4977.47 ccw(c4416.04,4965.84) 4416.04,4982.28 ccw(c4416.04,4998.73) U4.17@4427.66,4987.1
  Bottom Layer w10: R19.2@3748.03,5113.01 cw(c3748.03,5096.57) 3759.66,5108.2 cw(c3771.29,5119.82) R19.2@3754.84,5119.82 ; R19.2@3748.03,5119.82 3787.15,5080.71 v1(3816.93,5080.71)
SIM_RX: Q3.D R13.1 U4.2 | length 734
  Top Layer w10: Q3.D@3646.01,4396.75 ccw(c3624.3,4418.46) 3655,4418.46 ccw(c3685.7,4418.46) Q3.D@3663.99,4396.75 ; Q3.D@3655,4387.76 R13.1@3655,4491.93 ; 3655,4445.92 cw(c3720.7,4445.92) R13.1@3674.24,4492.37 ; 3655,4470.06 cw(c3696.56,4470.06) R13.1@3667.17,4499.44 ; R13.1@3665.83,4502.76 3673.35,4502.76 3704.04,4533.44 3730.29,4533.44 3787.15,4590.3 3889.51,4590.3 ; R13.1@3667.8,4507.44 ccw(c3667.8,4532.17) R13.1@3685.28,4514.68 ; R13.1@3667.8,4517.44 ccw(c3667.8,4566.31) 3702.35,4531.76 ; R13.1@3682.48,4502.76 cw(c3704.51,4502.76) 3688.93,4518.33 ; U4.2@3902.08,4625.33 cw(c3858.69,4621.13) 3889.51,4590.3 ; U4.2@3904.07,4621.14 cw(c3892.67,4609.65) 3908.86,4609.65 ; 3904.5,4605.28 ccw(c3886.01,4623.77) U4.2@3912.03,4626.29 ; U4.2@3908.86,4657.48 3908.86,4609.65 ; U4.2@3913.65,4621.14 ccw(c3925.04,4609.65) 3908.86,4609.65 ; 3889.51,4590.3 3908.86,4609.65
SIM_STA: U4.42
SIM_TX: Q2.D R14.1 U4.1 | length 753.9
  Top Layer w10: Q2.D@3491.01,4396.75 ccw(c3469.3,4418.46) 3500,4418.46 ccw(c3530.7,4418.46) Q2.D@3508.99,4396.75 ; Q2.D@3500,4387.76 R14.1@3500,4491.93 ; 3500,4445.92 cw(c3565.7,4445.92) R14.1@3519.24,4492.37 ; 3500,4470.06 cw(c3541.55,4470.06) R14.1@3512.17,4499.44 ; R14.1@3510.83,4502.76 3559.25,4551.18 3720.47,4551.18 3775.59,4606.3 3854.33,4606.3 ; R14.1@3512.79,4517.44 ccw(c3512.79,4548.14) 3534.5,4526.43 ; R14.1@3527.48,4502.76 cw(c3567.68,4502.76) 3539.26,4531.19 ; U4.1@3858.99,4624.14 cw(c3841.43,4619.2) 3854.33,4606.3 ; U4.1@3865.55,4657.48 3865.55,4617.52 3854.33,4606.3
SIM_VDD: U4.18 U5.6 U6.6 | length 1140.6
  Top Layer w10: v1(3992.13,5102.36) 4068.9,5025.59 U4.18@4463.98,5025.59 ; U4.18@4427.66,5020.78 ccw(c4416.04,5009.15) 4416.04,5025.59 ccw(c4416.04,5042.03) U4.18@4427.66,5030.41
  Bottom Layer w10: U6.6@3822.83,4805.12 3927.17,4805.12 3992.13,4870.08 3992.13,5165.35 3955.9,5201.58 U5.6@3913.29,5201.58 ; U5.6@3932.87,5196.76 cw(c3944.49,5185.13) 3944.49,5201.58 cw(c3944.49,5218.02) U5.6@3932.87,5206.39
SPI0_CS0: J1.2 J2.31 | length 986.5
  Top Layer w10: J2.31@4093.9,2817.32 4093.9,2867.51 4123.29,2896.91 4161.65,2896.91 4262.31,2997.57 4262.31,3437.21 v1(4247.83,3451.69)
  Bottom Layer w10: J1.2@4026.61,3452.32 v1@4247.2,3452.32 ; J1.2@4054.48,3446.11 cw(c4069.46,3431.13) 4069.46,3452.32 cw(c4069.46,3473.52) J1.2@4054.48,3458.53
SPI0_D0: J2.58
SPI0_D1: J2.56
SPI0_D2: J2.54
SPI0_D3: J2.52
SPI0_D4: J2.50
SPI0_D5: J2.48
SPI0_D6: J2.46
SPI0_D7: J2.44
SPI0_MIS0: J1.7 J2.33 R9.2 | length 1239.7
  Top Layer w10: R9.2@4050.31,3594.49 4050.51,3594.49 4081.02,3625 v1(4140.75,3625) 4207.93,3557.82 4207.93,3463.76 4246.31,3425.37 4246.31,3004.2 4155.02,2912.91 4116.67,2912.91 4074.21,2870.45 J2.33@4074.21,2817.32 ; R9.2@4050.31,3601.3 ccw(c4050.31,3618.21) 4062.27,3606.25 ; R9.2@4057.13,3594.49 cw(c4073.11,3594.49) R9.2@4061.81,3605.79
  Bottom Layer w10: J1.7@4026.61,3668.86 4096.89,3668.86 v1(4140.75,3625) ; J1.7@4054.48,3662.65 cw(c4069.46,3647.66) 4069.46,3668.86 cw(c4069.46,3690.05) J1.7@4054.48,3675.07
SPI0_MOSI: J1.3 J2.29 R6.1 | length 1414.9
  Top Layer w10: v1(3968.5,3424.02) 3985.73,3406.79 4010.21,3406.79 4034.99,3382.01 ; 4012.53,3404.47 ccw(c4050.32,3442.26) R6.1@4050.32,3388.82 ; 4029.6,3387.4 ccw(c4050.32,3408.11) R6.1@4050.32,3378.82 ; R6.1@4045.26,3377.44 ccw(c4034.99,3368.18) 4034.99,3382.01 ; R6.1@4045.26,3386.57 cw(c4034.99,3395.84) 4034.99,3382.01 ; R6.1@4050.32,3382.01 4034.99,3382.01 ; J2.29@4113.58,2817.32 4113.58,2864.57 4129.92,2880.91 4168.28,2880.91 4278.31,2990.94 4278.31,3447.08 v1(4246.06,3479.33)
  Bottom Layer w10: v1(3968.5,3424.02) 3968.5,3475.39 ; 3982.5,3489.39 cw(c4001.19,3470.71) J1.3@4005.14,3496.84 ; J1.3@3997.61,3490.83 ccw(c3988.74,3485.04) 3988.74,3495.63 ; J1.3@3997.61,3500.43 cw(c3988.74,3506.22) 3988.74,3495.63 ; J1.3@4003.65,3486.95 ccw(c3997.51,3446.39) 3968.51,3475.39 ; J1.3@4054.48,3489.42 cw(c4069.46,3474.43) 4069.46,3495.63 cw(c4069.46,3516.83) J1.3@4054.48,3501.84 ; v1(4246.06,3479.33) 4229.76,3495.63 J1.3@4026.61,3495.63 3988.74,3495.63 ; 3968.5,3475.39 3988.74,3495.63
SPI0_SCLK: J1.5 J2.35 | length 1042.8
  Top Layer w10: J2.35@4054.53,2817.32 4054.53,2881.15 4103.49,2930.12 4149.61,2930.12 4228.35,3008.86 4228.35,3415.5 4191.93,3451.92 4191.93,3522.76 v1(4132.44,3582.24)
  Bottom Layer w10: J1.5@4026.61,3582.24 v1(4132.44,3582.24) ; J1.5@4054.48,3576.04 cw(c4069.46,3561.05) 4069.46,3582.24 cw(c4069.46,3603.44) J1.5@4054.48,3588.45
SPK_EN: R15.2
SPKN: C16.1 C17.1 C22.2 C23.2 U4.12 | length 894.5
  Top Layer w10: C23.2@4111.44,4332.57 ccw(c4099.82,4344.2) 4116.26,4344.2 ccw(c4132.7,4344.2) 4121.08,4332.57 ccw(c4132.7,4344.2) 4132.7,4327.75 ccw(c4132.7,4311.31) C23.2@4121.08,4322.94 ; C17.1@4111.44,4373.57 cw(c4099.82,4361.94) 4116.26,4361.94 cw(c4132.7,4361.94) 4121.08,4373.57 cw(c4132.7,4361.94) 4132.7,4378.38 cw(c4132.7,4394.83) C17.1@4121.08,4383.2 ; C22.2@4189.48,4322.94 ccw(c4177.85,4311.31) 4177.85,4327.75 ccw(c4177.85,4344.2) 4189.48,4332.57 ccw(c4177.85,4344.2) 4194.29,4344.2 ccw(c4210.74,4344.2) C22.2@4199.11,4332.57 ; C16.1@4189.48,4383.2 cw(c4177.85,4394.83) 4177.85,4378.38 cw(c4177.85,4361.94) 4189.48,4373.57 cw(c4177.85,4361.94) 4194.29,4361.94 cw(c4210.74,4361.94) 4199.11,4373.57 cw(c4210.74,4361.94) 4210.74,4378.38 cw(c4210.73,4394.83) C16.1@4199.11,4383.2 ; C16.1@4194.29,4378.38 C22.2@4194.29,4327.75 C23.2@4116.26,4327.75 C17.1@4116.26,4378.38 4213.03,4378.38 4224.41,4389.76 4224.41,4531.5 4275.59,4582.68 4322.83,4582.68 4341.93,4601.77 U4.12@4341.93,4657.48 ; U4.12@4337.11,4621.17 cw(c4325.49,4609.54) 4341.93,4609.54 cw(c4358.37,4609.54) U4.12@4346.75,4621.17
SPKP: C12.1 C13.1 C16.2 C17.2 C24.2 U4.11 | length 1173
  Top Layer w10: C17.2@4109.45,4417.75 cw(c4093.01,4417.75) 4104.63,4406.13 cw(c4116.26,4394.5) C17.2@4116.26,4410.94 ; C17.2@4111.44,4422.57 ccw(c4099.82,4434.2) 4116.26,4434.2 ccw(c4132.7,4434.2) 4121.08,4422.57 ccw(c4132.7,4434.2) 4132.7,4417.75 ccw(c4132.7,4401.31) C17.2@4121.08,4412.94 ; C13.1@4111.44,4463.57 cw(c4099.82,4451.94) 4116.26,4451.94 cw(c4132.7,4451.94) 4121.08,4463.57 cw(c4132.7,4451.94) 4132.7,4468.38 cw(c4132.7,4484.83) C13.1@4121.08,4473.2 ; C12.1@4187.48,4468.38 ccw(c4171.04,4468.38) 4182.66,4480.01 ccw(c4194.29,4491.64) C12.1@4194.29,4475.2 ; C16.2@4189.48,4412.94 ccw(c4177.85,4401.31) 4177.85,4417.75 ccw(c4177.85,4434.2) 4189.48,4422.57 ccw(c4177.85,4434.2) 4194.29,4434.2 ccw(c4210.74,4434.2) C16.2@4199.11,4422.57 ; C12.1@4189.48,4473.2 cw(c4177.85,4484.83) 4177.85,4468.38 cw(c4177.85,4451.94) 4189.48,4463.57 cw(c4177.85,4451.94) 4194.29,4451.94 cw(c4210.74,4451.94) C12.1@4199.11,4463.57 ; C24.2@4268.7,4288.38 4236.22,4255.91 4102.36,4255.91 4082.68,4275.59 4082.68,4384.17 C17.2@4116.26,4417.75 ; 4279.58,4611.29 cw(c4298.62,4592.25) U4.11@4298.62,4619.17 ; U4.11@4298.62,4657.48 4298.62,4630.32 4232.27,4563.98 4195.87,4563.98 4171.48,4539.59 4171.48,4491.2 C12.1@4194.29,4468.38 ; C17.2@4116.26,4417.75 C16.2@4194.29,4417.75 C12.1@4194.29,4468.38 ; C17.2@4116.26,4417.75 C13.1@4116.26,4468.38 C12.1@4194.29,4468.38
TXD: P6.4 Q3.S R11.1 | length 776.9
  Top Layer w10: R11.1@3665.83,4267.76 3713.11,4220.47 3771.65,4220.47 3779.53,4212.6 ; R11.1@3667.8,4253.07 cw(c3667.8,4222.37) 3689.5,4244.08 ; R11.1@3682.48,4267.76 ccw(c3722.69,4267.76) 3694.26,4239.33 ; Q3.S@3743.46,4413.48 cw(c3731.81,4386.48) 3761.22,4386.48 ; Q3.S@3747.43,4422.66 cw(c3738.37,4401.69) 3761.22,4401.69 ; Q3.S@3747.52,4425.16 3761.22,4411.46 3761.22,4388.63 3779.53,4370.32 3779.53,4212.6 ; P6.4@3812.8,4118.07 ccw(c3744.08,4118.07) 3792.67,4166.66 ccw(c3841.26,4215.25) P6.4@3841.26,4146.54 ; P6.4@3822.8,4118.07 ccw(c3778.22,4118.07) 3809.74,4149.59 ccw(c3841.26,4181.11) P6.4@3841.26,4136.54 ; P6.4@3841.26,4118.07 3779.53,4179.8 3779.53,4212.6
VBUS: C6.2 D1.2 FB1.1 J2.2 J2.4 P1.2 USBC1.A4 USBC1.A9 USBC1.B4 USBC1.B9 | length 2936.1
  Top Layer w10: FB1.1@3870.39,2674.13 3914.76,2718.5 4087.6,2718.5 v1(4088.58,2719.49) ; FB1.1@3870.39,2680.95 ccw(c3870.39,2697.39) 3882.02,2685.76 ccw(c3893.65,2674.13) FB1.1@3877.2,2674.13 ; 4081.38,2718.5 ccw(c4081.38,2726.69) v1@4087.17,2720.9
  Top Layer w33: v1(3869.09,3795.28) 4246.06,3795.28 4369.59,3671.75 4369.59,3081.74 4382.17,3069.15 4480.85,3069.15 P1.2@4531.5,3018.5 ; 4372.54,3277.56 C6.2@4531.5,3277.56 ; P1.2@4514.53,3018.5 ccw(c4473.58,3018.5) 4502.54,3047.46 ccw(c4531.5,3076.42) P1.2@4531.5,3035.47
  Bottom Layer w10: v1(4088.58,2719.49) 4231.88,2719.49 4272.41,2760.02 4546.43,2760.02 4575.96,2789.54 4575.96,2937.09 4575.79,2937.27 4575.79,2974.21 ; P1.2@4531.5,3018.5 4575.79,2974.21 ; P1.2@4532.75,3000.08 cw(c4535.14,2964.69) 4560.23,2989.77 cw(c4585.31,3014.86) P1.2@4549.92,3017.25 ; P1.2@4533.42,2990.1 cw(c4537.12,2935.55) 4575.79,2974.21 ; P1.2@4559.9,3016.58 ccw(c4614.45,3012.88) 4575.79,2974.21
  Bottom Layer w35: D1.2@3744.69,3795.28 v1(3887.8,3795.28) ; D1.2@3762.46,3785.38 cw(c3786.35,3761.49) 3786.35,3795.28 cw(c3786.35,3829.07) D1.2@3762.46,3805.17
VSS: C9.2 C10.2 C11.1 C12.2 C13.2 C19.1 C20.1 C21.1 C22.1 C23.1 R3.2 R16.1 U3.7 | length 885.7
  Top Layer w10: C21.1@3966.26,4288.39 C20.1@4041.42,4288.39 ; C10.2@3966.26,4507.76 C9.2@4041.42,4507.76 ; C21.1@3971.08,4283.57 cw(c3982.7,4271.94) 3982.7,4288.39 cw(c3982.7,4304.83) C21.1@3971.08,4293.2 ; C10.2@3971.08,4502.94 cw(c3982.7,4491.31) 3982.7,4507.76 cw(c3982.7,4524.2) C10.2@3971.08,4512.57 ; C20.1@4036.6,4283.57 ccw(c4024.97,4271.94) 4024.97,4288.39 ccw(c4024.97,4304.83) C20.1@4036.6,4293.2 ; C9.2@4036.6,4502.94 ccw(c4024.97,4491.31) 4024.97,4507.76 ccw(c4024.97,4524.2) C9.2@4036.6,4512.57 ; C23.1@4116.26,4288.38 C22.1@4194.29,4288.38 ; C13.2@4116.26,4507.75 4150.47,4507.75 v1(4151.57,4508.86) ; C23.1@4121.08,4283.57 cw(c4132.7,4271.94) 4132.7,4288.38 cw(c4132.7,4304.83) C23.1@4121.08,4293.2 ; C13.2@4121.08,4502.94 cw(c4132.7,4491.31) 4132.7,4507.75 cw(c4132.7,4524.2) C13.2@4121.08,4512.57 ; 4144.08,4507.75 ccw(c4144.08,4516.35) v1@4150.16,4510.27 ; C22.1@4189.48,4283.57 ccw(c4177.85,4271.94) 4177.85,4288.38 ccw(c4177.85,4304.83) C22.1@4189.48,4293.2 ; C12.2@4189.48,4512.57 ccw(c4177.85,4524.2) 4194.29,4524.2 ccw(c4210.74,4524.2) C12.2@4199.11,4512.57 ; C12.2@4194.29,4507.75 v1(4194.29,4535.04) ; U3.7@4435.46,4251.95 cw(c4423.51,4240) 4440.41,4240 cw(c4457.31,4240) U3.7@4445.36,4251.95 ; U3.7@4435.46,4311.85 ccw(c4423.51,4323.8) 4440.41,4323.8 ccw(c4457.31,4323.8) U3.7@4445.36,4311.85 ; 4440.41,4225.02 ccw(c4468.13,4225.02) C19.1@4448.53,4205.42 ; U3.7@4440.41,4249.16 ccw(c4492.27,4249.16) C19.1@4455.6,4212.49 ; v1(4440.41,4342.07) U3.7@4440.41,4281.9 4440.41,4218.05 C19.1@4450.79,4207.68 ; C11.1@4553.1,4332.57 ccw(c4541.47,4344.19) 4557.91,4344.19 ccw(c4574.36,4344.2) C11.1@4562.73,4332.57 ; R16.1@4553.1,4373.57 cw(c4541.47,4361.94) 4557.91,4361.94 cw(c4574.36,4361.94) R16.1@4562.73,4373.57 ; C11.1@4557.91,4327.75 R16.1@4557.91,4378.39
  Top Layer w20: v1(4129.34,4227.63) 4129.65,4227.63 R3.2@4146.65,4210.63
  other v1: 4002.95,4288.39 4155.51,4288.39 4557.91,4353.35 4004.92,4507.76
WIFI_EN: J2.36
WIFI_RX: J2.71
WIFI_TX: J2.38
pads on no net: J1.0 J1.1 J1.8 J2. J2.0 J2.9 J2.11 J2.41 J2.43 P2.1 P2.2 P2.24 U1.5 U1.6 U4.3 U4.4 U4.5 U4.14 U4.20 U4.22 U4.23 U4.29 U4.38 U4.40 U5.0 U5.2 U6.3 USBC1. USBC1.A8 USBC1.B8

## Polygon pours and split planes (outlines as drawn)
GND on Bottom Layer "GND" (solid, remove dead copper, pour order 10): 3434.45,5409.45 3434.45,2524.61 4615.55,2524.61 4615.55,5409.45
VSS on Bottom Layer "VSS" (solid, remove dead copper, pour order 8): 3935.04,4482.91 3935.04,4250.31 4012.04,4169.29 4027.01,4153.54 4534.92,4153.54 4581.69,4202.76 4581.69,4519.69 4542.41,4561.02 4285.28,4561.02 4009.23,4561.02 4008.3,4560.04
VBUS on Bottom Layer "VBUS" (solid, remove dead copper, pour order 6): 3823.82,3384.84 3755.91,3384.84 3716.54,3384.84 3634.84,3466.54 3634.84,3761.81 3703.74,3830.71 3707.68,3826.77 3787.4,3826.77 3787.4,3678.15 3762.8,3653.54 3719.49,3653.54 3715.55,3649.61 3715.55,3625.15 3735.38,3605.32 3742.27,3598.43 3823.82,3598.43
GND on Top Layer "GND" (solid, remove dead copper, pour order 9): 3434.45,5409.45 3434.45,2524.61 4615.55,2524.61 4615.55,5409.45
VSS on Top Layer "VSS" (solid, remove dead copper, pour order 7): 3901.26,4482.91 3901.26,4153.86 3997.05,4058.07 4101.62,4058.07 4103.74,4060.2 4175.39,4131.85 4175.39,4200 4175.39,4153.54 4532.48,4153.54 4581.69,4202.76 4581.69,4519.69 4540.35,4561.02 3979.37,4561.02 3901.26,4482.91

## Keep-outs
Keep-Out Layer:
  the board outline again, w3.94

## Other copper
Top Layer:
  rectangle net GND: 4313.98,3083.66 4346.46,3194.88
  rectangle net VBUS: 4353.35,3083.66 4385.83,3194.88

## Silkscreen, mask and mechanical layers (free items; w line width, h text height)
Bottom Overlay:
  text "DTR" at 3771.71,4513.01 h50
  text "RI" at 3771.71,4413.52 h50
  text "PWR" at 3771.71,4314.03 h50
  text "GND" at 3771.71,4214.54 h50
  text "GND" at 3575.37,4009.84 h50
  text "3V3" at 3675.9,4009.84 h50
  text "RXD" at 3776.44,4009.84 h50
  text "TXD" at 3876.97,4009.84 h50
  text "GND" at 4209.23,4009.84 h50
  text "P8" at 4308.64,4009.84 h50
  text "SPKP" at 4440.94,4009.84 h50
  text "SPKN" at 4569.88,4009.84 h50
  text "GND" at 4464.57,3078.74 h50
  text "VCC" at 4466.54,2959.65 h50
  text "P1" at 4460.63,2877.95 h50
  text "P0" at 4461.61,2790.35 h50
  text "1" at 4365.16,2774.61 h50

## Text inside footprints (layer, text, board x,y; h text height)
J1: Bottom Overlay "k" at 4115,3765 h30 r90; Bottom Overlay "8" at 4115,3715.02 h30 r90; Bottom Overlay "7" at 4115,3671.02 h30 r90; Bottom Overlay "6" at 4115,3629.02 h30 r90; Bottom Overlay "5" at 4115,3587.02 h30 r90; Bottom Overlay "4" at 4115,3545.02 h30 r90; Bottom Overlay "3" at 4115,3498.02 h30 r90; Bottom Overlay "2" at 4115,3456.02 h30 r90; Bottom Overlay "1" at 4115,3413.02 h30 r90
J2: Mechanical 8 "38" at 3996.26,3082.57 h20 r180; Mechanical 8 "36" at 4015.95,3082.57 h20 r180; Mechanical 8 "28" at 4094.68,3082.57 h20 r180; Mechanical 8 "22" at 4153.74,3082.57 h20 r180; Mechanical 8 "20" at 4173.43,3082.57 h20 r180; Mechanical 8 "40" at 3976.57,3082.57 h20 r180; Mechanical 8 "21" at 4163.58,2785.32 h20 r180; Mechanical 8 "23" at 4143.9,2785.32 h20 r180; Mechanical 8 "25" at 4124.21,2785.32 h20 r180; Mechanical 8 "27" at 4104.53,2785.32 h20 r180; Mechanical 8 "44" at 3937.2,3082.57 h20 r180; Mechanical 8 "26" at 4114.37,3082.57 h20 r180; Mechanical 8 "24" at 4134.06,3082.57 h20 r180; Mechanical 8 "46" at 3917.52,3082.57 h20 r180; Mechanical 8 "74" at 3641.93,3082.57 h20 r180; Mechanical 8 "72" at 3661.61,3082.57 h20 r180; Mechanical 8 "34" at 4035.63,3082.57 h20 r180; Mechanical 8 "32" at 4055.32,3082.57 h20 r180; Mechanical 8 "75" at 3632.09,2785.32 h20 r180; Mechanical 8 "73" at 3651.77,2785.32 h20 r180; Mechanical 8 "4" at 4350.59,3098.57 h20 r180; Mechanical 8 "1" at 4380.12,2801.32 h20 r180; Mechanical 8 "3" at 4360.43,2801.32 h20 r180; Mechanical 8 "2" at 4370.28,3098.57 h20 r180; Mechanical 8 "69" at 3691.14,2785.32 h20 r180; Mechanical 8 "71" at 3671.46,2785.32 h20 r180; Mechanical 8 "56" at 3819.09,3082.57 h20 r180; Mechanical 8 "58" at 3799.41,3082.57 h20 r180; Mechanical 8 "70" at 3681.3,3082.57 h20 r180; Mechanical 8 "54" at 3838.78,3082.57 h20 r180; Mechanical 8 "48" at 3897.84,3082.57 h20 r180; Mechanical 8 "50" at 3878.15,3082.57 h20 r180; Mechanical 8 "62" at 3760.04,3082.57 h20 r180; Mechanical 8 "60" at 3779.72,3082.57 h20 r180; Mechanical 8 "66" at 3720.67,3082.57 h20 r180; Mechanical 8 "64" at 3740.35,3082.57 h20 r180; Mechanical 8 "52" at 3858.47,3082.57 h20 r180; Mechanical 8 "68" at 3700.98,3082.57 h20 r180; Mechanical 8 "53" at 3848.62,2785.32 h20 r180; Mechanical 8 "55" at 3828.94,2785.32 h20 r180; Mechanical 8 "59" at 3789.57,2785.32 h20 r180; Mechanical 8 "57" at 3809.25,2785.32 h20 r180; Mechanical 8 "63" at 3750.2,2785.32 h20 r180; Mechanical 8 "61" at 3769.88,2785.32 h20 r180; Mechanical 8 "65" at 3730.51,2785.32 h20 r180; Mechanical 8 "67" at 3710.83,2785.32 h20 r180; Mechanical 8 "41" at 3966.73,2785.32 h20 r180; Mechanical 8 "43" at 3947.05,2785.32 h20 r180; Mechanical 8 "45" at 3927.36,2785.32 h20 r180; Mechanical 8 "47" at 3907.68,2785.32 h20 r180; Mechanical 8 "29" at 4084.84,2785.32 h20 r180; Mechanical 8 "42" at 3956.89,3082.57 h20 r180; Mechanical 8 "35" at 4025.79,2785.32 h20 r180; Mechanical 8 "33" at 4045.47,2785.32 h20 r180; Mechanical 8 "49" at 3887.99,2785.32 h20 r180; Mechanical 8 "SH2" at 3588.78,2799.84 h20 r180; Mechanical 8 "5" at 4340.75,2801.32 h20 r180; Mechanical 8 "7" at 4321.06,2801.32 h20 r180; Mechanical 8 "8" at 4311.22,3098.57 h20 r180; Mechanical 8 "6" at 4330.91,3098.57 h20 r180; Mechanical 8 "SH1" at 4403.74,2799.84 h20 r180; Mechanical 8 "10" at 4291.53,3082.57 h20 r180; Mechanical 8 "30" at 4075,3082.57 h20 r180; Mechanical 8 "37" at 4006.1,2785.32 h20 r180; Mechanical 8 "39" at 3986.42,2785.32 h20 r180; Mechanical 8 "51" at 3868.31,2785.32 h20 r180; Mechanical 8 "31" at 4065.16,2785.32 h20 r180; Mechanical 8 "9" at 4301.38,2801.32 h20 r180; Mechanical 8 "11" at 4281.69,2785.32 h20 r180; Mechanical 9 "NGFF-67P_B" at 4064.37,2995.47 h20 r180